# KiCad board SmallDSPMicro.kicad_pcb (continued)
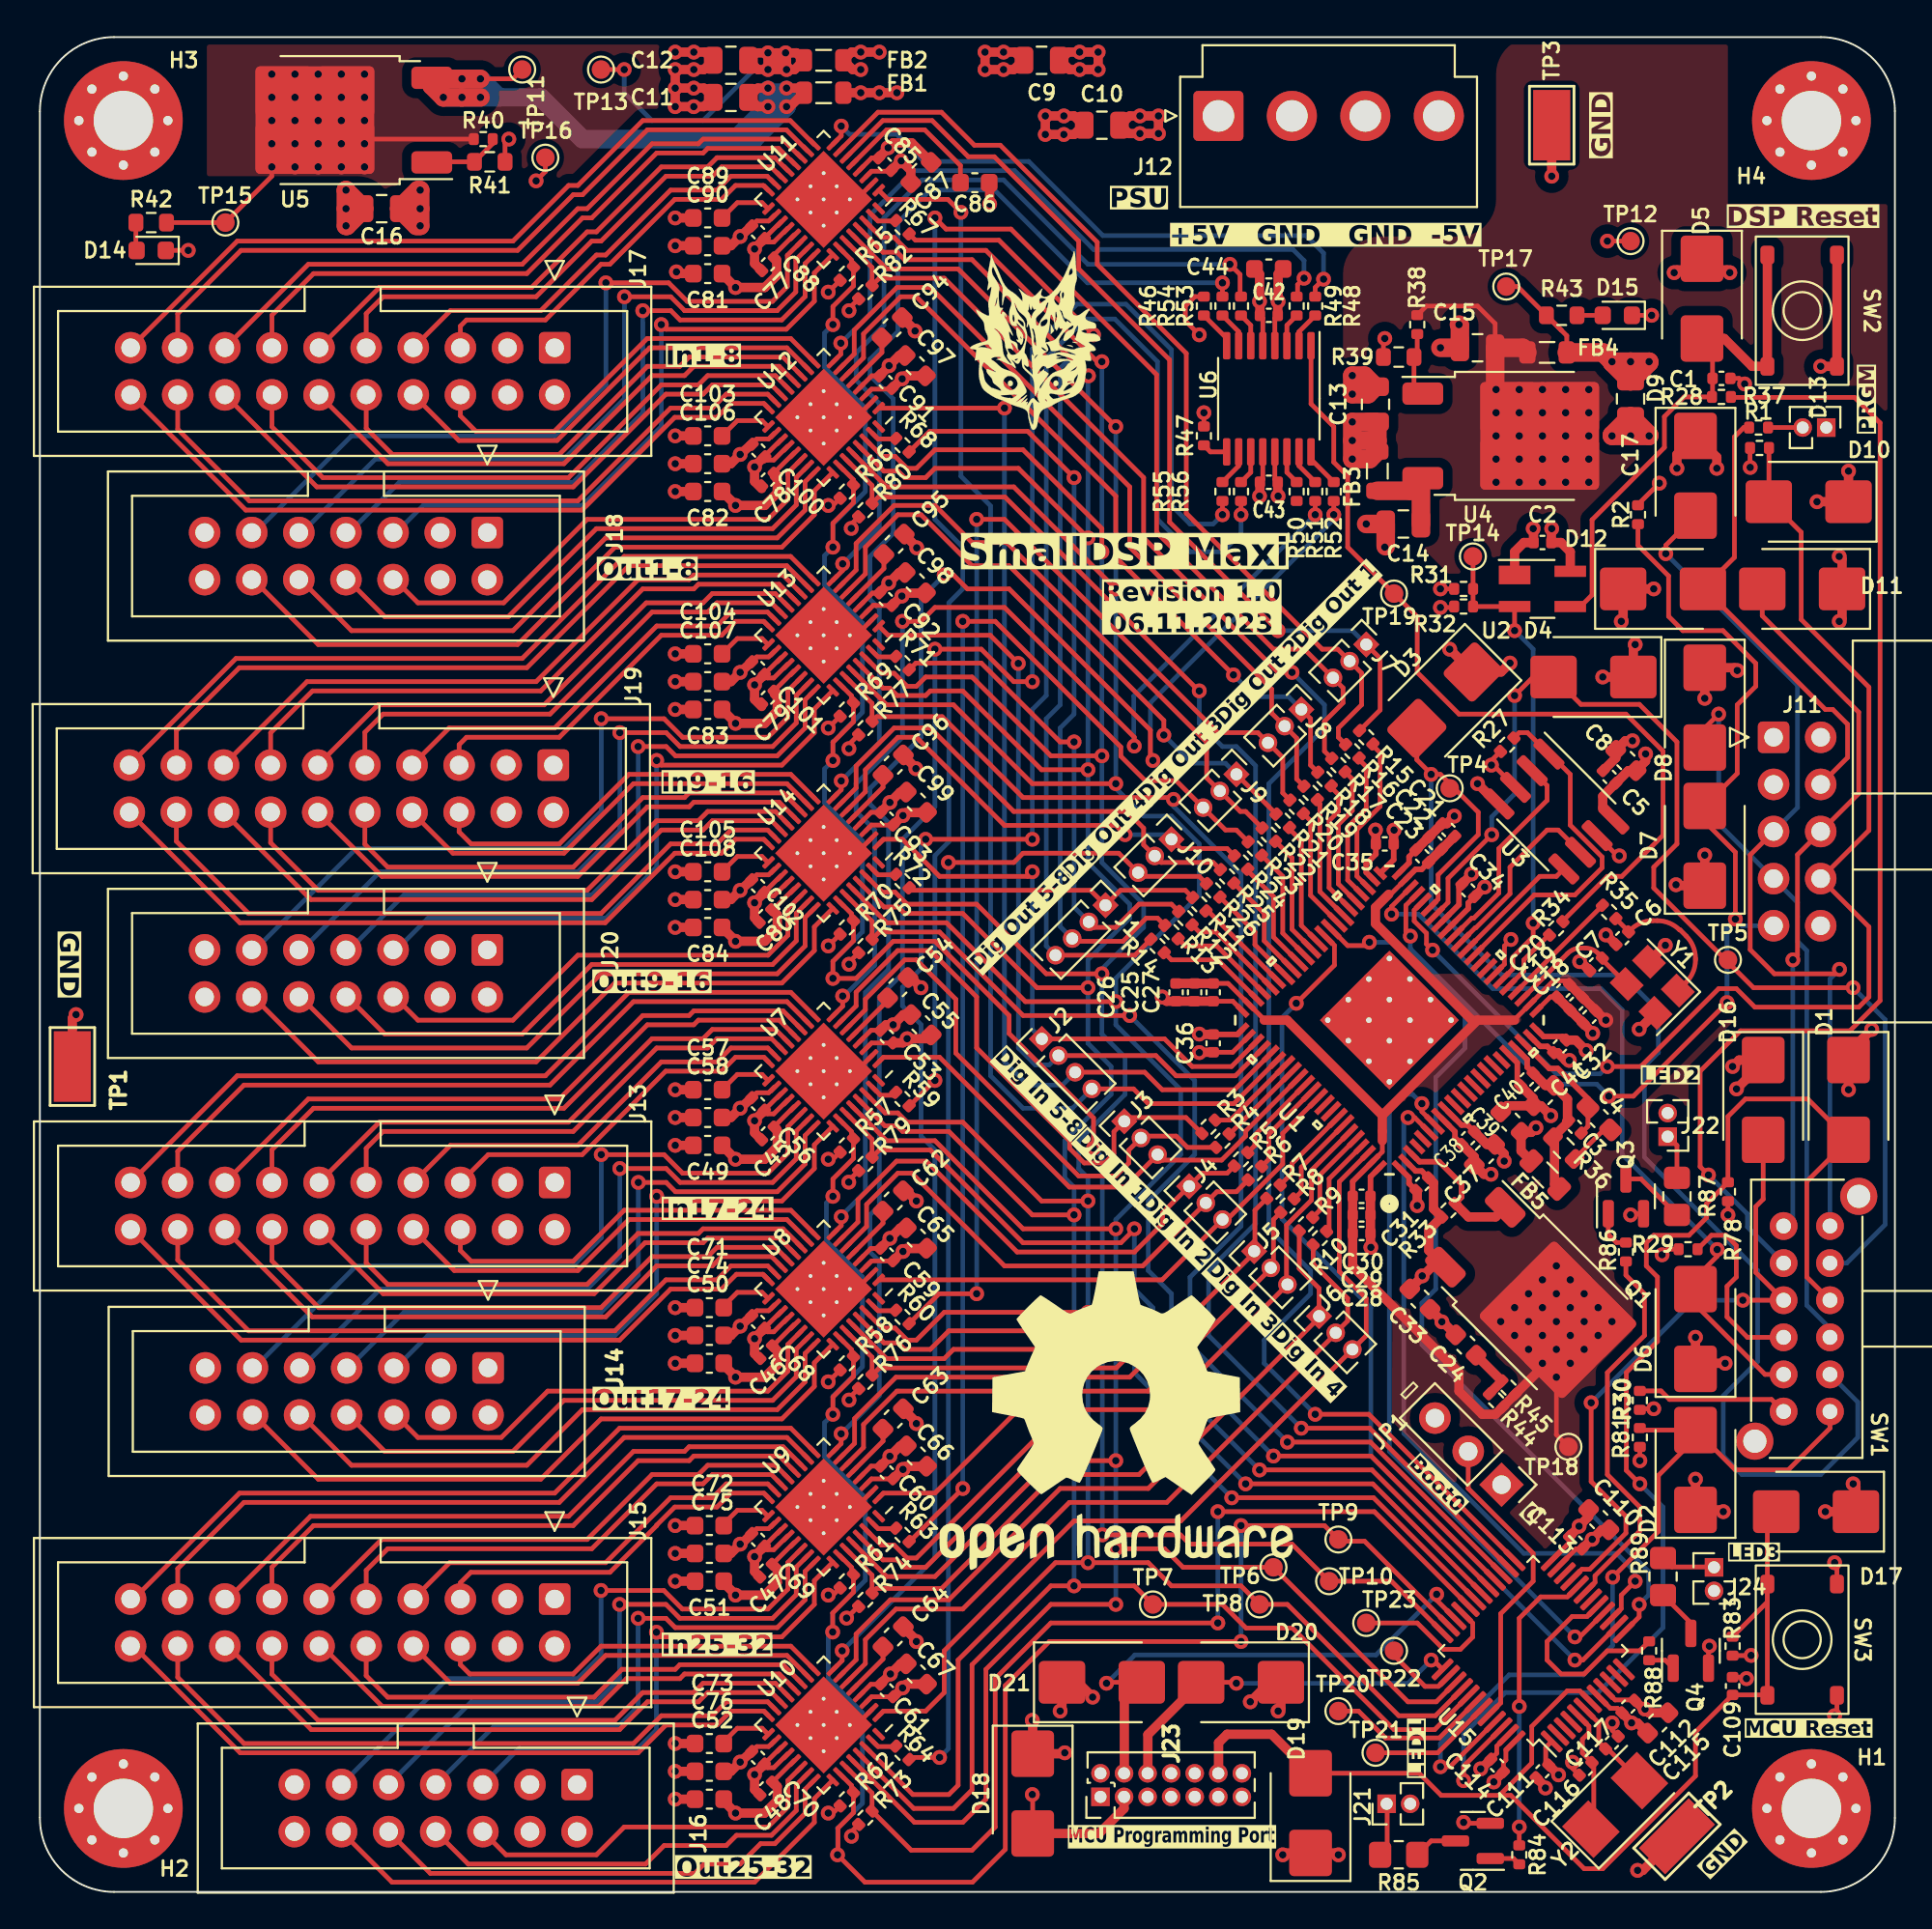
[diagram p0: board, top side]
## Routing (per net, layer and track width the routed paths; a pad name or vN(x,y) marks a point on that pad's centre or on a via; arc(x,y) is an arc through that point) (continued)
/Enable Codec 5-8: length 122.5
  Top w0.25: v1(42.75,61) 42.75,61.97 43.86,63.09 R69.1 ; v1(42.75,84.5) 42.75,85.47 43.86,86.59 R65.1 ; 43.75,52.47 43.75,52.74 43.1,53.39 ; R70.1 43.86,51.28 42.75,50.17 v1(42.75,49.25) 44,49.25 46,51.25 48.25,51.25 52.25,47.25 52.25,46.28 56.8,41.73 v1(56.8,40.1) ; v1(42.75,72.5) 42.75,73.79 43.86,74.9 R66.1 43.86,76.13 43.1,76.89 ; v1(57.28,19.25) 61.49,19.25 61.99,18.75 67.5,18.75 TP10.1 72.86,16.75 U15.36 ; 43.1,65.14 43.75,64.49 43.75,64.22 ; U11.26 43.75,87.98 43.75,87.72
  Bottom w0.25: v1(42.75,84.5) 42.3,84.05 42.3,82.2 44.5,80 44.5,75.5 42.75,73.75 v1(42.75,72.5) 42.3,72.05 42.3,70.45 44.34,68.41 44.34,63.59 43.22,62.47 43.22,62.45 42.8,62.03 42.78,62.03 42.75,62 v1(42.75,61) 42.3,60.55 42.3,58.7 44.34,56.66 44.34,51.76 42.75,50.17 v1(42.75,49.25) ; v1(56.8,40.1) 57.28,39.62 v1(57.28,19.25)
/GPIO6: length 49.1
  Top w0.25: v1(71.67,51.2) 71.49,51.02 70.5,51.02 U1.53 ; v1(86.22,15.49) 86.22,14.83 U15.13
  Bottom w0.25: v1(86.22,15.49) 86.72,16 86.72,17.28 74.5,29.5 74.5,31.75 75.25,32.5 75.25,43.92 76.82,45.49 76.82,47.25 72.87,51.2 v1(71.67,51.2)
/GPIO7: length 50
  Top w0.25: U1.54 69.79,51.02 69.79,49.97 v1(67.73,47.91) ; v1(82.75,12.5) 83.18,12.5 U15.14
  Bottom w0.25: v1(67.73,47.91) 66.96,47.14 66.96,36.28 71.75,31.49 71.75,23.5 v1(82.75,12.5)
/GPIO14: length 37.3
  Top w0.25: U1.6 74.11,41.75 v1(73.75,41.75) ; v1(86,16.75) 85.25,16 85.25,15.27 U15.15
  Bottom w0.25: v1(86,16.75) 86,17.25 85,18.25 80,18.25 73.53,24.72 73.53,41.53 v1(73.75,41.75)
/GPIO15: length 38.4
  Top w0.25: U1.7 74.5,42.07 v1(74.5,42.5) ; U15.16 83.02,13.75 v1(82.75,13.75)
  Bottom w0.25: v1(74.5,42.5) 74,43 73.5,43 72.75,42.25 72.75,23.75 v1(82.75,13.75)
/LRCK In0: length 29.7
  Top w0.25: U7.6 44.5,47.56 44.5,48.13 46.62,50.25 47.25,50.25 49.38,48.12 49.38,45.22 56,38.6 58,38.6 58.7,39.3 58.7,39.99 J3.2 ; 59.46,40.75 61.25,40.75 61.86,40.14 R4.1
/LRCK In1: length 28
  Top w0.25: R6.1 64.5,37.75 63.45,37.75 J4.2 59.45,33.75 52,33.75 47,38.75 46.25,38.75 44.57,37.07 44.57,35.88 U8.6
/LRCK In2: length 31
  Top w0.25: 66.36,33.61 59.75,27 46.2,27 44.4,25.2 44.4,23.96 U9.6 ; 66.5,33.79 66.5,36.25 R8.1
/LRCK In3: length 40.7
  Top w0.25: 69.86,30.11 60.75,21 55.5,21 49.75,15.25 46.15,15.25 44.5,13.6 44.5,12.31 U10.6 ; J6.2 70.5,30.79 70.5,32 68.64,33.86 R10.1
/LRCK Out0: length 52
  Top w0.25: U11.6 45.44,95.5 48.1,95.5 50.05,93.55 51.45,93.55 56,89 56,87.5 60.9,82.6 60.9,73.85 v1(66.75,68) ; R15.2 72.25,63.72 72.25,66.51 J7.1
  Bottom w0.25: J7.1 70.76,68 v1(66.75,68)
/LRCK Out1: length 42
  Top w0.25: U12.6 44.4,82.71 44.4,84 46.4,86 47.25,86 58,75.25 58,71.95 v1(64.34,65.61) ; R18.2 68.5,60.75 68.5,63.25 J8.1
  Bottom w0.25: J8.1 67.31,64.44 65.51,64.44 v1(64.34,65.61)
/LRCK Out2: length 32.9
  Top w0.25: U13.6 44.5,71.06 44.5,72.5 46.25,74.25 47.5,74.25 50.25,71.5 52.25,71.5 60.59,63.16 v1(60.59,62.37) ; 66.64,58.12 J9.1
  Bottom w0.25: J9.1 63.91,60.85 62.11,60.85 v1(60.59,62.37)
/LRCK Out3: length 25.6
  Top w0.25: J10.1 61.5,56.25 64,56.25 R24.2 ; U14.6 44.5,59.31 44.5,60.5 46.25,62.25 47.25,62.25 52,57.5 58,57.5 v1(58.5,57)
  Bottom w0.25: v1(58.5,57) 60.75,57
/M DSP MISO: length 11.4
  Top w0.25: U3.2 81.25,59.65 81.25,58.85 78.65,56.25 78.65,53.85 77.3,52.5 77.19,52.5 U1.35
/M DSP MOSI: length 7
  Top w0.25: U3.5 81.75,54.75 80.85,54.75 U1.33
/M DSP SCLK: length 10.3
  Top w0.25: U3.6 81.85,57.25 81.25,57.25 79.25,55.25 79.25,53.82 77.41,51.98 77.38,51.98 U1.34
/MCLK: length 46.9
  Top w0.25: R34.2 82.1,52.35 84.5,54.75 85.28,54.75 87.5,56.97 87.5,61.5 85.5,63.5 76.5,63.5 74.25,65.75 74.25,68.75 TP19.1 70.5,72.5 70.5,76.33 69.75,77.08 69.75,79 68.53,80.22 U6.1
/MCLK 1: length 57.1
  Top w0.25: v1(46.5,68.5) 47.5,68.5 48.25,69.25 52,69.25 59,62.25 v1(59,61.78) ; v1(43.28,48.3) 43.28,47.75 U7.8 ; v1(68.75,74.25) R51.2
  Bottom w0.25: 43.35,48.3 45,49.95 45,57.25 44,58.25 44,59.75 46.5,62.25 v1(46.5,68.5) ; v1(59,61.78) 58.97,61.81 58.97,64.47 v1(68.75,74.25)
/MCLK 2: length 73.3
  Top w0.25: v1(48.75,71) 49.25,71 50,70.25 52.25,70.25 59.87,62.63 59.87,61.13 v1(60,61) ; v1(43.2,36.4) 43.2,35.92 U8.8 ; R52.2 v1(69.75,74.25)
  Bottom w0.25: v1(60,61) 59.87,61.13 59.87,64.12 69.75,74 v1(69.75,74.25) ; v1(48.75,71) 47.5,69.75 47.5,62.25 44.75,59.5 44.75,58.64 45.75,57.64 45.75,49.75 44.5,48.5 44.5,37.75 43.2,36.45 v1(43.2,36.4)
/MCLK 3: length 91.9
  Top w0.25: v1(43.19,24.7) 43.19,24.17 U9.8 ; R55.2 v1(63.75,74.25) ; v1(53.5,65.25) 52.5,65.25 50.75,67 v1(48.25,67)
  Bottom w0.25: v1(53.5,65.25) 53.5,83.2 55.9,85.6 58.55,85.6 61,83.15 61,74.75 62,73.75 63.25,73.75 v1(63.75,74.25) ; v1(43.19,24.7) 45.25,26.76 45.25,34 44.75,34.5 44.75,36.5 45.25,37 45.25,48.25 46.5,49.5 46.5,56.75 48.25,58.5 v1(48.25,67)
/MCLK 4: length 104
  Top w0.25: v1(43.25,13) 43.25,12.47 U10.8 ; R56.2 v1(64.75,74.25) ; v1(53.5,56.75) v1(47.75,56.75)
  Bottom w0.25: v1(53.5,56.75) 53.5,63.75 54.25,64.5 54.25,82.7 56.35,84.8 57.95,84.8 60.25,82.5 60.25,74 62,72.25 63.75,72.25 64.75,73.25 v1(64.75,74.25) ; v1(47.75,56.75) 47.5,56.5 47.5,49.78 46.5,48.78 46.5,47.76 47.5,46.76 47.5,40.75 48.25,40 48.25,18 v1(43.25,13)
/MCLK 5: length 32.5
  Top w0.25: v1(69.2,86.95) 68.75,86.5 R48.2 ; U11.8 43.2,94.67 v1(43.2,95.2)
  Bottom w0.25: v1(69.2,86.95) 69.2,88.35 68.25,89.3 57.3,89.3 53.3,93.3 47.65,93.3 46.19,94.76 43.64,94.76 v1(43.2,95.2)
/MCLK 6: length 37.3
  Top w0.25: v1(43.18,83.5) 43.18,82.9 U12.8 ; v1(68.15,87) 67.8,86.65 67.8,86.06 R49.2
  Bottom w0.25: v1(43.18,83.5) 44.75,85.07 44.75,90.4 47.15,92.8 52.55,92.8 56.8,88.55 67.55,88.55 68.15,87.95 v1(68.15,87)
/MCLK 7: length 45.1
  Top w0.25: R53.2 64.7,86.06 64.7,87.2 v1(64.15,87.75) ; U13.8 42.75,70.72 43.28,71.24 v1(43.28,71.6)
  Bottom w0.25: v1(43.28,71.6) 45.25,73.57 45.25,80.25 44,81.5 44,82.97 45.5,84.47 45.5,90.25 47.55,92.3 51.95,92.3 56.5,87.75 v1(64.15,87.75)
/MCLK 8: length 55
  Top w0.25: v1(43.2,59.9) 43.2,59.42 U14.8 ; v1(63.75,86.75) R54.2
  Bottom w0.25: v1(63.75,86.75) 56.47,86.75 51.47,91.75 48,91.75 46.25,90 46.25,84.13 44.75,82.63 44.75,81.75 46,80.5 46,73.25 44.75,72 44.75,69.69 45.25,69.19 45.25,61.95 v1(43.2,59.9)
/MCU MISO: length 220.8
  Top w0.25: v1(57.25,72.25) 57.25,73.5 53,77.75 48.25,77.75 47.25,76.75 46.75,76.75 46.1,77.4 45.41,77.4 U12.30 ; v1(56.5,37.25) 54,37.25 49.75,41.5 46.75,41.5 46.25,42 45.56,42 U7.30 ; v1(56.5,31.25) 48.75,31.25 47.25,29.75 46.75,29.75 46.1,30.4 45.41,30.4 U8.30 ; U13.30 45.36,65.7 46.05,65.7 46.75,65 47.25,65 47.75,65.5 50.25,65.5 54.5,61.25 v1(57.25,61.25) ; U14.30 45.41,53.9 46.1,53.9 46.75,53.25 50.5,53.25 54.25,49.5 v1(57.25,49.5) ; v1(57.25,82.5) 57,82.5 51,88.5 46.75,88.5 46.05,89.2 45.36,89.2 U11.30 ; U10.30 47.06,5.25 49,5.25 49.5,5.75 49.5,12.5 54.75,17.75 v1(56.5,17.75) 59.75,17.75 61,16.5 64.75,16.5 TP8.1 67.25,15.5 73.25,9.5 75.23,9.5 U15.40 ; U9.30 45.36,18.7 46.05,18.7 46.75,18 47.25,18 54.25,25 v1(56.5,25)
  Bottom w0.25: v1(57.25,82.5) v1(57.25,72.25) v1(57.25,61.25) 57.25,55.5 59.5,53.25 59.5,52 57.25,49.75 v1(57.25,49.5) 57.25,46.25 58.5,45 58.5,43 56,40.5 56,39 56.5,38.5 v1(56.5,37.25) v1(56.5,31.25) v1(56.5,25) v1(56.5,17.75)
/MCU MOSI: length 217.9
  Top w0.25: v1(56.5,48.75) 53.75,48.75 49.75,52.75 46.61,52.75 46.26,53.1 45.5,53.1 U14.29 ; U10.29 47.1,4.5 49.25,4.5 50.25,5.5 50.25,12.25 54.5,16.5 v1(55.75,16.5) 59,16.5 TP7.1 63.75,15.5 65.03,14.22 67.53,14.22 73,8.75 75.19,8.75 U15.41 ; v1(55.75,24.25) 54.5,24.25 47.75,17.5 46.61,17.5 46.21,17.9 45.45,17.9 U9.29 ; v1(56.5,60.5) 54,60.5 49.75,64.75 48,64.75 47.75,64.5 46.22,64.5 45.82,64.9 45.45,64.9 U13.29 ; U7.29 45.55,41.3 46.2,41.3 46.5,41 49,41 53.5,36.5 v1(55.75,36.5) ; U11.29 45.45,88.4 46.21,88.4 46.61,88 50.25,88 56.51,81.74 v1(56.53,81.74) ; v1(56.5,73) 52.75,76.75 48.25,76.75 47.75,76.25 46.61,76.25 46.26,76.6 45.5,76.6 U12.29 ; v1(55.75,30.25) 49,30.25 48,29.25 46.61,29.25 46.26,29.6 45.5,29.6 U8.29
  Bottom w0.25: v1(56.53,81.74) 56.5,81.71 v1(56.5,73) v1(56.5,60.5) 56.5,55.5 58.75,53.25 58.75,52.5 56.5,50.25 v1(56.5,48.75) 56.5,45.75 57.75,44.5 57.75,43 55.25,40.5 55.25,38.5 55.75,38 v1(55.75,36.5) v1(55.75,30.25) v1(55.75,24.25) v1(55.75,16.5)
/MCU SCL: length 42.5
  Top w0.25: SW1.6 96.5,25 94.25,22.75 91.4,22.75 D2.2 86.36,24.9 ; 89.25,24.45 87.25,22.45 87.25,19.43 v1(84.78,16.97) ; v1(75.5,6.75) 76.02,6.75 U15.45
  Bottom w0.25: v1(75.5,6.75) 75.5,8 79.2,11.7 83.2,11.7 84.78,13.28 v1(84.78,16.97)
/MCU SCLK: length 236.5
  Top w0.25: U15.39 75.28,10.25 73.75,10.25 TP6.1 61.62,17.5 60.62,18.5 v1(58,18.5) ; U9.28 45.65,17 48.25,17 54.5,23.25 v1(58,23.25) ; U8.28 45.65,28.75 48.75,28.75 49.25,29.25 v1(58,29.25) ; v1(58,48) 53.12,48 48.88,52.25 45.65,52.25 U14.28 ; U11.28 45.65,87.5 49.5,87.5 v1(58,79) ; U13.28 45.65,64 49.25,64 53.5,59.75 v1(58,59.75) ; U12.28 45.65,75.75 52.5,75.75 v1(58,70.25) ; v1(58,35.75) 53,35.75 48.25,40.5 45.65,40.5 U7.28 ; U10.28 47.15,3.75 49.75,3.75 51,5 51,12 54.5,15.5 v1(58,15.5)
  Bottom w0.25: v1(58,15.5) v1(58,18.5) v1(58,23.25) v1(58,29.25) v1(58,35.75) 58,36.25 61.5,39.75 61.5,43.25 58,46.75 v1(58,48) 58,49.25 62.5,53.75 62.5,56.5 61,58 59.5,58 58,59.5 v1(58,59.75) v1(58,70.25) v1(58,79)
/MCU SDA: length 69.5
  Top w0.25: U15.46 76.75,6.78 v1(76.75,6) ; v1(86.25,22) 85.53,22.72 85.53,28.01 87.2,29.68 87.2,33.15 86.6,33.75 86.6,35 87,35.4 88.9,35.4 89.85,36.35 89.85,37.11 R78.2 91,41.81 91.94,42.75 95.3,42.75 D1.2 95.25,38.3 95.25,33.15 SW1.3
  Bottom w0.25: v1(86.25,22) 87.5,20.75 87.5,14.25 84,10.75 79,10.75 76.75,8.5 v1(76.75,6)
/MCU/Boot0: length 16.7
  Top w0.25: JP1.2 77,21.75 80.5,18.25 80.5,16.75 78.75,15 78.75,10.19 U15.44
/MCU/LED1: length 16.1
  Top w0.25: U15.20 82.35,15.91 80.91,15.91 79.75,14.75 v1(79.75,10) ; R84.2 v1(79.75,3.5)
  Bottom w0.25: v1(79.75,3.5) v1(79.75,10)
/MCU/LED2: length 21.1
  Top w0.25: U15.19 83.83,16.69 83.83,17.04 86.25,19.46 86.25,20.75 84.5,22.5 84.5,28 86.5,30 86.5,32.25 85.5,33.25 R86.2
/MCU/LED3: length 11.1
  Top w0.25: U15.17 83.41,14.85 82.6,14.85 81.25,13.5 81.25,12.5 82,11.75 83.25,11.75 84.5,13 86.24,13 R88.2
/MCU/SWCLK: length 19.8
  Top w0.25: U15.37 75.11,12.5 v1(75,12.5) ; D20.2 64.45,11.3 v1(64.5,11.25)
  Top w0.5: 62.55,11.3 59.73,8.48 59.73,6.45
  Bottom w0.25: v1(75,12.5) 73.75,11.25 v1(64.5,11.25)
/MCU/SWDIO: length 28.7
  Top w0.25: v1(75.3,16.05) 75.3,15.73 U15.34 ; v1(57.5,11.25) 57.55,11.3 D21.2
  Top w0.5: D21.2 58.46,10.36 58.46,6.45
  Bottom w0.25: v1(57.5,11.25) 59.03,12.78 72.03,12.78 v1(75.3,16.05)
/MCU/~{RST}: length 61.3
  Top w0.25: R83.2 93.12,15.63 SW3.2 ; 78.68,5.2 80.42,6.95 80.42,8.92 82.34,10.84 83.02,10.84 U15.7 ; 78.68,5.2 79.3,5.2 83.25,1.25 84.25,1.25 89.25,6.25 89.25,8.62 C109.2 93.1,10.62 ; 78.68,5.2 75.55,5.2 74.35,6.4 D19.2 ; SW3.2 93.12,20.03 ; SW3.2 SW3.2
  Top w0.5: D19.2 66.4,8.5 64,8.5 63.54,8.04 63.54,6.45
/PRGM MISO: length 47.6
  Top w0.25: v1(87.65,72.15) 87.65,72.6 D9.2 ; J11.5 92.2,55.91 92.2,50.8 93.5,49.5 96.77,49.5 v1(97.01,49.74)
  Bottom w0.25: J11.5 94.75,58.46 94.75,65.05 v1(87.65,72.15) ; SW1.1 96.5,49.23 v1(97.01,49.74)
/PRGM MOSI: length 66.1
  Top w0.25: U1.40 74.09,52.93 74.09,52.35 74.75,51.68 74.75,51.1 v1(75.07,50.78) ; R1.2 93.21,74.96 D10.2 93.3,74.95 94.95,73.3 94.95,68.6 98.6,64.95 98.6,57.23 J11.8 98.6,52.03 98.6,48.25 98.05,47.7 92.45,47.7 91.45,48.7 90.5,48.7 86.3,44.5 v1(84.5,44.5)
  Bottom w0.25: v1(84.5,44.5) 84.1,44.1 81.75,44.1 v1(75.07,50.78)
/PRGM SCLK: length 38.4
  Top w0.25: D8.2 89.75,62.75 v1(90.5,63.5)
  Bottom w0.25: 96.98,29.9 95.25,31.63 95.25,50.75 94.75,51.25 94.75,53.34 J11.7 90.5,57.59 v1(90.5,63.5)
/SDATA In0: length 28.4
  Top w0.25: U1.75 65,41.02 65,40.75 63.7,39.45 60.55,39.45 J3.3 58.5,38 55.5,38 48.5,45 45.47,45 U7.1
/SDATA In1: length 28.4
  Top w0.25: 64,36.25 67,39.25 67,40.9 U1.78 ; 45.22,33 60.5,33 J4.3
/SDATA In2: length 36.4
  Top w0.25: U9.1 45.47,21.5 48.25,21.5 52.75,26 60.51,26 J5.3 ; 67.2,32.8 67.2,35.95 68.55,37.3 68.55,38.91 U1.83
/SDATA In3: length 47.2
  Top w0.25: U1.86 70.05,38.29 70.05,33.45 71.5,32 71.5,29.99 J6.3 61.51,20 55.75,20 48.75,13 48.75,10.75 47.75,9.75 45.47,9.75 U10.1
/SDATA In4: length 70
  Top w0.25: v1(49.65,90.55) 48.95,91.25 45.71,91.25 U11.1 ; U1.72 64.36,42.5 59.75,42.5 58.96,43.29 J2.4
  Bottom w0.25: v1(49.65,90.55) 49.65,76.33 51.25,74.72 51.25,44 53,42.25 55.66,42.25 J2.4
/SDATA In5: length 58.4
  Top w0.25: J2.3 59.56,44.19 60.5,43.25 64.4,43.25 U1.71 ; v1(52,80) 49.51,80 49.51,79.99 U12.1
  Bottom w0.25: J2.3 55.12,43.5 53.25,43.5 52,44.75 v1(52,80)
/SDATA In6: length 43.9
  Top w0.25: v1(52.74,66.23) 51.23,67.75 45.72,67.75 45.22,68.25 ; J2.2 60.16,45.09 61.25,44 64.45,44 U1.70
  Bottom w0.25: v1(52.74,66.23) 52.75,66.23 52.75,45.5 53.66,44.59 54.41,44.59 J2.2
/SDATA In7: length 31.3
  Top w0.25: v1(53.5,55) 53.25,54.75 48.5,54.75 46.5,56.75 45.47,56.75 U14.1 ; J2.1 60.63,45.99 62.12,44.5 64.24,44.5 U1.69
  Bottom w0.25: v1(53.5,55) 53.5,46.5 J2.1
/SDATA Out0: length 91.5
  Top w0.25: v1(48.25,90.25) 48.85,89.65 52.35,89.65 60.2,81.8 60.2,73.3 66.5,67 68.16,67 J7.3 70.25,64.91 70.25,64.11 69.25,63.11 69.25,61.5 R17.2 ; v1(48.25,43.75) 46.89,42.39
  Bottom w0.25: v1(48.25,43.75) 48.25,55.88 49,56.62 49,69.5 49.75,70.25 49.75,72.5 48.25,74 v1(48.25,90.25)
/SDATA Out1: length 70.3
  Top w0.25: R60.2 48.47,32.25 v1(50.5,32.25) ; R20.2 67,59.25 67,61.16 J8.3 65.66,62.5 63.5,62.5 52,74 v1(50.5,74)
  Bottom w0.25: v1(50.5,32.25) v1(50.5,74)
/SDATA Out2: length 71.4
  Top w0.25: v1(49.75,21.75) 46.89,18.89 ; R23.2 64.5,57.25 63.91,57.25 J9.3 61.25,59.91 59.59,59.91 58.27,61.23 58.27,61.73 51.5,68.5 v1(49.75,68.5)
  Bottom w0.25: v1(49.75,21.75) v1(49.75,68.5)
/SDATA Out3: length 64.5
  Top w0.25: v1(48.5,7.25) 46.97,7.25 ; R26.2 62.5,54.75 59.41,54.75 ; v1(48.97,55.5) 52.5,55.5 53,56 58.16,56 J10.3
  Bottom w0.25: v1(48.97,55.5) 48.97,7.72 v1(48.5,7.25)
/SDATA Out4: length 52.4
  Top w0.25: v1(56.8,83.95) 51.7,89.05 47.2,89.05 R67.2 ; R14.1 59.03,50.5 54.75,50.5
  Bottom w0.25: v1(56.8,83.95) 55,82.15 55,64 54.25,63.25 54.25,51 J1.4
/SDATA Out5: length 41.3
  Top w0.25: v1(55.75,76.25) 53.25,78.75 47.97,78.75 R68.2 ; R13.1 60.25,52.5 59.64,52.5 58.39,51.25 55.8,51.25
  Bottom w0.25: v1(55.75,76.25) 55.75,63.5 55,62.75 55,52.05 J1.3
/SDATA Out6: length 26.5
  Top w0.25: J1.2 56.84,52 58,52 59.25,53.25 61,53.25 R12.1 ; v1(55.75,62) 55,62 50.75,66.25 47.22,66.25 R71.2
  Bottom w0.25: v1(55.75,62) 55.75,53.09 J1.2
/SDATA Out7: length 16.2
  Top w0.25: R72.2 47,54 56.64,54 J1.1 58.25,54 61.75,54 R11.1
/~{CS Codec 1}: length 50.4
  Top w0.25: v1(65.75,22.75) 71.81,22.75 U15.29 ; v1(59,35.75) 59,35.72 58.28,35 53,35 48,40 45.25,40 R79.2 44.86,40.58 U7.27
  Bottom w0.25: v1(65.75,22.75) 60,28.5 60,31.5 59,32.5 v1(59,35.75)
/~{CS Codec 2}: length 42.6
  Top w0.25: U15.30 71.85,22 v1(65,22) ; U8.27 44.86,28.83 R76.2 45.25,28.25 58.03,28.25 v1(59.01,29.24)
  Bottom w0.25: v1(65,22) 59.01,27.99 v1(59.01,29.24)
/~{CS Codec 3}: length 42.5
  Top w0.25: U9.27 44.86,17.08 R74.2 45.11,16.36 48.61,16.36 54.75,22.5 59.25,22.5 v1(61.12,24.38) ; v1(64.25,21.25) 71.9,21.25 U15.31
  Bottom w0.25: v1(61.12,24.38) v1(64.25,21.25)
/~{CS Codec 4}: length 53.9
  Top w0.25: v1(63.5,20.5) 71.94,20.5 U15.32 ; v1(63.5,14.5) 54.5,14.5 51.5,11.5 51.5,3.5 50.25,2.25 46.97,2.25 R73.2 44.86,5.33 U10.27
  Bottom w0.25: v1(63.5,14.5) v1(63.5,20.5)
/~{CS Codec 5}: length 95.5
  Top w0.25: U11.27 44.86,87.58 R82.2 45.25,87 48.75,87 59.5,76.25 59.5,73 66.75,65.75 v1(67.5,65.75) ; U15.25 71.64,25.75 v1(68.75,25.75)
  Bottom w0.25: v1(68.75,25.75) 66,28.5 66,29.75 68.5,32.25 68.5,33.49 66.25,35.74 66.25,59.75 69.25,62.75 69.25,64 v1(67.5,65.75)
/~{CS Codec 6}: length 83.9
  Top w0.25: U12.27 44.86,75.83 R80.2 45.2,75.2 52.02,75.2 62.47,64.75 v1(62.5,64.75) ; U15.26 71.68,25 v1(68,25)
  Bottom w0.25: v1(62.5,64.75) 62.5,63 63.75,61.75 64.5,61.75 65.54,60.71 65.54,36.04 63,33.5 63,30 v1(68,25)
/~{CS Codec 7}: length 75.1
  Top w0.25: U15.27 71.72,24.25 v1(67.25,24.25) ; U13.27 44.86,64.08 R77.2 45.11,63.36 48.64,63.36 53,59 61.01,59 v1(61.11,58.9)
  Bottom w0.25: v1(67.25,24.25) 62,29.5 62,33.14 64.75,35.89 64.75,54.89 61.11,58.53 v1(61.11,58.9)
/~{CS Codec 8}: length 62.6
  Top w0.25: U14.27 44.86,52.33 R75.2 45.25,51.75 48.5,51.75 53,47.25 v1(58.75,47.25) ; v1(66.5,23.5) 71.77,23.5 U15.28
  Bottom w0.25: v1(66.5,23.5) 61,29 61,32.25 59.75,33.5 59.75,37.25 62.25,39.75 62.25,43.75 v1(58.75,47.25)
/~{CS EEPROM}: length 18.6
  Top w0.25: R27.2 79.75,62.5 80.19,62.5 U3.1 ; 81.4,61.35 82.5,60.25 82.5,57.51 84.22,55.8 84.22,55.22 82.75,53.75 80.56,53.75 U1.32
/~{DSP RST}: length 26.2
  Top w0.25: U1.28 79.4,49.76 79.4,50.4 80.5,51.5 v1(80.5,52.23) ; v1(79.5,68) U2.2 77.31,69.3 ; 77.26,69.25 77.26,71.99
  Bottom w0.25: v1(80.5,52.23) 80.5,67 v1(79.5,68)
/~{PRGM CS}: length 59.4
  Top w0.25: U1.41 73.64,53.19 73.64,51.77 v1(73.88,51.53) ; v1(91.4,52.45) 91.4,56.05 89.75,57.7 D7.2 91.5,60.3 91.5,64 92.5,65 92.5,66.23 90.73,68 88.57,68 87.8,68.77 87.8,70.95 86.15,72.6 86.15,73.42 ; v1(84.58,42.9) 85.9,42.9 v1(90.95,47.95)
  Bottom w0.25: v1(84.58,42.9) 83.93,43.55 81.18,43.55 73.88,50.85 v1(73.88,51.53) ; J11.9 91.76,52.09 v1(91.4,52.45) 90.95,52 v1(90.95,47.95)
/~{RST MCU}: length 33.9
  Top w0.25: v1(91.8,31.9) SW1.9 92.5,33.4 92.5,36.95 92.9,37.35 D16.2 ; U15.21 83.13,17.4 83.55,17.4 85.5,19.34 85.5,20.25 83.62,22.12 v1(83.62,26.38)
  Bottom w0.25: v1(91.8,31.9) 89.15,31.9 v1(83.62,26.38)
/~{RST PGRM}: length 38
  Top w0.25: v1(94.5,50.25) 94.75,50.5 94.75,55.92 J11.6 98.05,59.22 98.05,63.6 92.85,68.8 D11.2
  Bottom w0.25: 94.5,35.9 v1(94.5,50.25)
Earth_Protective: length 62.8
  Top w0.5: 88.7,87.45 89,87.15 89.6,87.15 ; v1(91.1,87.3) 90.95,87.45 88.25,87.45 v1(88.1,87.3) ; v1(90.4,76.75) 90.4,77.35 D9.1 88.25,77.5 v1(88.25,76.75) ; D16.1 91.6,44.85 v1(91.25,44.5) ; 97.5,45.25 v1(98.75,46.5) ; v1(97,68.5) 97.15,68.65 D11.1 97.15,71.85 v1(97,72) ; v1(87,70.25) D12.1 85.35,68.6 v1(85.25,68.5) ; 92.9,44.73 v1(91.46,43.29) ; v1(97.5,76.6) D10.1 v1(95.8,74.95) ; 55.95,11.3 v1(56.75,10.5) ; v1(96.25,20.5) D17.1 97.9,21.85 v1(97.75,22) ; v1(67,2) 67.1,2.1 D19.1 69.9,2.1 v1(70,2) ; v1(89.75,55.9) D7.1 88.25,54.25 v1(88.2,54.3) ; D1.1 v1(97.5,43.25) ; v1(66.75,9.75) 66.9,9.9 D20.1 ; 66.3,11.3 v1(65.25,10.25) ; v1(86,67.25) 85.9,67.15 D4.1 v1(84.25,65.5) ; v1(53.5,9.25) 53.52,9.23 D18.1 55.2,7.45 v1(55.25,7.5) ; v1(89.25,22.25) D2.1 90.65,20.6 v1(90.75,20.5) ; 77.23,65.77 v1(76,67) ; D3.1 78.77,65.77 v1(79.25,66.25) ; v1(89.25,29.9) D6.1 89.55,28.5 v1(90.85,28.5) ; v1(91.5,65.85) 91.35,66 D8.1 v1(89.75,64.35) ; D21.1 55.1,9.85 v1(55,9.75)
  In2.Cu w1: 66.75,2.25 v1(67,2)
Net-(C4-Pad2): length 2.6
  Top w0.25: R36.1 84.3,41.09 C4.2
Net-(C6-Pad1): length 7.8
  Top w0.25: R35.2 85.64,51.79 ; Y1.1 88.75,49.05 arc(89.12,49.6) 89.25,50.25 89.25,50.33 arc(89.12,50.98) 88.75,51.53 88.42,51.87 88.39,51.87 arc(87.84,52.23) 87.19,52.36 86.95,52.36 arc(86.3,52.23) 85.75,51.87
Net-(C24-Pad1): length 2.9
  Top w0.5: 78.81,27.53 R44.2 ; C24.1 R45.2
Net-(D3-A2): length 74.2
  Top w0.25: U1.39 75.38,53.52 75.38,54.84 77.54,57 77.54,58.21 75.5,60.25 v1(75,60.25) 75,60.27 74.23,61.04 D3.2
  Bottom w0.25: v1(75,60.25) 75,53.25 78.82,49.43 85.32,49.43 87.25,47.5 87.25,45.25 86.5,44.5 86.5,39.6 92.6,33.5 92.6,28.6 90.75,26.75 90.75,23.5 91.75,22.5 96,22.5 98,24.5 98,26.4 SW1.5
Net-(D4-A2): length 61.9
  Top w0.25: v1(78.27,57) 75.91,54.64 75.91,53.34 U1.38 ; v1(97.75,48.75) 92.38,48.75 87,54.12 87,55.25 88.25,56.5 88.25,62 86.22,64.03 83.07,64.03 D4.2 ; v1(79.5,64.5) 80.5,65.5
  Bottom w0.25: v1(97.75,48.75) 99.47,47.03 99.47,35.97 97.4,33.9 SW1.2 ; v1(78.27,57) 78.27,57.96 79.5,59.19 v1(79.5,64.5)
Net-(D5-A2): length 28.7
  Top w0.25: D5.2 90.17,83.18 C1.1 90.17,80.63 R28.1 88.64,80.6 87.57,79.54 87.57,77.88 83.68,73.97 83.68,69.92 83.05,69.3
  Top w0.5: SW2.2 SW2.2 92.3,82.25 90.8,83.75 D5.2
Net-(D6-A2): length 41.3
  Top w0.25: SW1.11 93,27.9 89.25,31.65 D6.2 89.25,33.1 90.42,34.27 v1(90.42,34.63) ; v1(72.87,52.72) 72.87,53.13 U1.42
  Bottom w0.25: v1(90.42,34.63) 85.3,39.75 85.3,47.55 84.15,48.7 78.33,48.7 74.31,52.72 v1(72.87,52.72)
Net-(D13-A): length 1.9
  Top w0.25: D13.2 R37.2
Net-(D14-A): length 1.5
  Top w0.25: R42.2 5.17,88.54
Net-(D15-A): length 1.4
  Top w0.25: R43.2 D15.2
Net-(J12-Pin_1): length 16.2
  Top w0.5: FB1.1 v1(44.25,97) v1(45.25,97) v1(46.2,97) ; 55.75,94.75 56.25,95.25 55.75,95.75 v1(55.2,95.75) v1(54.2,95.75) v1(54.2,94.75) v1(55.2,94.75) 55.75,94.75
  Top w1: v1(70.75,78.25) v1(70.75,77.25) 71.69,77.25 FB3.1 72.1,78.25 ; v1(70.75,78.25) 72.1,78.25 ; v1(70.75,78.25) v1(70.75,79.25) C13.1 72.1,79.15 72.1,78.25
Net-(J12-Pin_4): length 8.7
  Top w0.5: 52.55,99.2 53,98.75 52.5,98.25 v1(51.95,98.25) v1(50.95,98.25) 50.95,99.2 ; v1(50.95,99.19) v1(51.95,99.19) 52.55,99.19 ; v1(44.25,98.25) 43.81,98.25 FB2.1 43.76,99.2 ; 43.76,99.19 v1(44.25,99.19) v1(45.25,99.19)
Net-(J21-Pin_1): length 2.4
  Top w0.25: 72.63,2.38 72.63,4.75
Net-(J22-Pin_1): length 2.5
  Top w0.25: 87.75,40.75 88.25,40.25 R87.1
Net-(J24-Pin_1): length 2.9
  Top w0.25: R89.1 87.98,17.52 90.25,17.52
Net-(Q1-B): length 7.8
  Top w0.3: R33.2 76.64,37.45 76.64,38.16 75.43,39.37 74.37,39.37 U1.3
  Top w0.5: R33.2 77.01,36.39 78.48,36.39 Q1.1
Net-(Q2-D): length 2.4
  Top w0.25: R85.2 75,2.75 Q2.3
Net-(Q2-G): length 1.7
  Top w0.25: R84.1 79.44,1.8 Q2.1
Net-(Q3-D): length 3.6
  Top w0.25: R87.2 86.31,38.44 Q3.3
Net-(Q3-G): length 2.2
  Top w0.25: Q3.1 84.55,35.45 84.99,35.01 R86.1
Net-(Q4-D): length 2.1
  Top w0.25: 89,14.5 R89.2
Net-(Q4-G): length 1.5
  Top w0.25: R88.1 87.62,12.49 Q4.1
Net-(SW1C-B): length 63.3
  Top w0.25: v1(89.95,38.65) 89.5,39.1 89.5,44.25 91.68,46.42 97.57,46.42 99.2,48.05 99.2,79.2 97.82,80.58 91.19,80.58 R28.2
  Bottom w0.25: SW1.8 92.05,35.85 92.05,36.55 v1(89.95,38.65)
Net-(SW1D-A): length 10.2
  Top w0.25: SW1.10 92.05,29.9 90.95,31 90.95,32.65 91.45,33.15 91.45,34.85 90.9,35.4 90.11,35.4 R29.2
Net-(SW1D-C): length 8.2
  Top w0.25: SW1.12 93.35,26.55 87.85,26.55 87.39,27.01 R30.2
Net-(U1A-MCLK_Out): length 3.7
  Top w0.25: U1.27 80,49.65 80,50.25 81.34,51.59 R34.1
Net-(U1A-PLLFlt): length 6.8
  Top w0.25: C3.2 83.45,41.28 C4.1
  Top w0.3: C4.1 83.45,42.77 81.83,44.39 81.37,44.39 U1.20
Net-(U1A-Xtal_In/MCLK_In): length 7.4
  Top w0.25: 84.23,50.26 Y1.3 ; U1.25 82.36,50.6 arc(82.68,50.81) 83.06,50.89 83.3,50.89 arc(83.68,50.81) 84,50.6 84.23,50.37
Net-(U1A-Xtal_Out): length 6.6
  Top w0.25: U1.26 84.23,53.18
Net-(U1C-BCLK_In0): length 5
  Top w0.25: R3.2 64.18,41.61 U1.73
Net-(U1C-BCLK_In1): length 4.9
  Top w0.25: U1.76 65.5,40.81 65.5,40.25 R5.2
Net-(U1C-BCLK_In2): length 4.9
  Top w0.25: R7.2 67.5,38.75 67.5,39.28 U1.81
Net-(U1C-BCLK_In3): length 5.2
  Top w0.25: R9.2 69,36.75 69,38.65 U1.84
Net-(U1C-BCLK_Out0): length 8.2
  Top w0.25: 71.07,61.1 71.5,60.66 71.5,58.41 70.5,57.41 70.5,54.55 U1.48
Net-(U1C-BCLK_Out1): length 6.8
  Top w0.25: 68.82,58.85 69,58.66 69,53.93 U1.51
Net-(U1C-BCLK_Out2): length 6.5
  Top w0.25: 66.65,56.6 67.5,55.75 67.5,51.9 U1.56
Net-(U1C-BCLK_Out3): length 5.8
  Top w0.25: 64.4,54.35 66,52.75 66,51.28 U1.59
Net-(U1C-LRCK_In0/GPIO10): length 4.7
  Top w0.25: U1.74 64.14,40.86
Net-(U1C-LRCK_In1/GPIO11): length 5.1
  Top w0.25: U1.77 66.25,40.85 66.25,39.5 R6.2
Net-(U1C-LRCK_In2/GPIO12): length 5.1
  Top w0.25: R8.2 68,37.75 68,39.07 U1.82
Net-(U1C-LRCK_In3/GPIO13): length 5.4
  Top w0.25: U1.85 69.5,38.45 69.5,35.75 R10.2
Net-(U1C-LRCK_Out0/GPIO4): length 8.6
  Top w0.25: U1.47 71,54.76 71,57.28 72.25,58.53 72.25,61.41 71.82,61.85
Net-(U1C-LRCK_Out1/GPIO5): length 7.4
  Top w0.25: U1.50 69.5,54.14 69.5,57.75 70,58.25 70,59.16 69.57,59.6
Net-(U1C-LRCK_Out2/GPIO8): length 6.8
  Top w0.25: U1.55 68,52.1 68,56.66 67.32,57.35
Net-(U1C-LRCK_Out3/GPIO9): length 6.1
  Top w0.25: U1.58 66.5,51.48 66.5,53.66 65.07,55.1
Net-(U1C-SDATA_IO4/GPIO20): length 6
  Top w0.25: U1.64 63.49,50.25 61,50.25 R14.2
Net-(U1C-SDATA_IO5/GPIO21): length 5.8
  Top w0.25: U1.63 63.45,51 61.75,51 R13.2
Net-(U1C-SDATA_IO6/GPIO22): length 5.6
  Top w0.25: R12.2 62.5,51.75 63.4,51.75 U1.62
Net-(U1C-SDATA_IO7/GPIO23): length 5.3
  Top w0.25: U1.61 62.97,52.89
Net-(U1C-SDATA_Out0): length 7.9
  Top w0.25: R17.1 70.75,60 70.75,58.3 70,57.55 70,54.35 U1.49
Net-(U1C-SDATA_Out1): length 6.6
  Top w0.25: U1.52 68.5,53.72 68.5,57.75 R20.1
Net-(U1C-SDATA_Out2): length 6.4
  Top w0.25: R23.1 67,54.75 67,51.69 U1.57
Net-(U1C-SDATA_Out3): length 5.7
  Top w0.25: R26.1 65.5,51.75 65.5,51.07 U1.60
Net-(U4-ADJ): length 2.6
  Top w0.25: R38.2 74.25,82.92 ; R39.1 74.07,81.25
Net-(U4-VI): length 5.1
  Top w1: C14.1 74.45,76.12 ; FB3.2 73.87,75.54 U4.3
Net-(U4-VO): length 10.2
  Top w0.25: R38.1 74.74,85.5 77.5,85.5 78.45,84.55 C15.1
  Top w1: v1(78.5,81) 78.45,81.05 C15.1 79.94,83.25 FB4.1
  vias: v1(78.5,79.75) v1(78.5,78.5) v1(78.5,77.25) v1(78.5,76) v1(79.75,81) v1(79.75,79.75) v1(79.75,78.5) v1(79.75,77.25) v1(79.75,76) v1(81,81) v1(81,79.75) v1(81,78.5) v1(81,77.25) v1(81,76) v1(82.25,81) v1(82.25,79.75) v1(82.25,78.5) v1(82.25,77.25) v1(82.25,76) v1(83.5,81) v1(83.5,79.75) v1(83.5,78.5) v1(83.5,77.25) v1(83.5,76)
